# Allegro board ZDRK-36-DE3-A02-20190729.brd (continued)
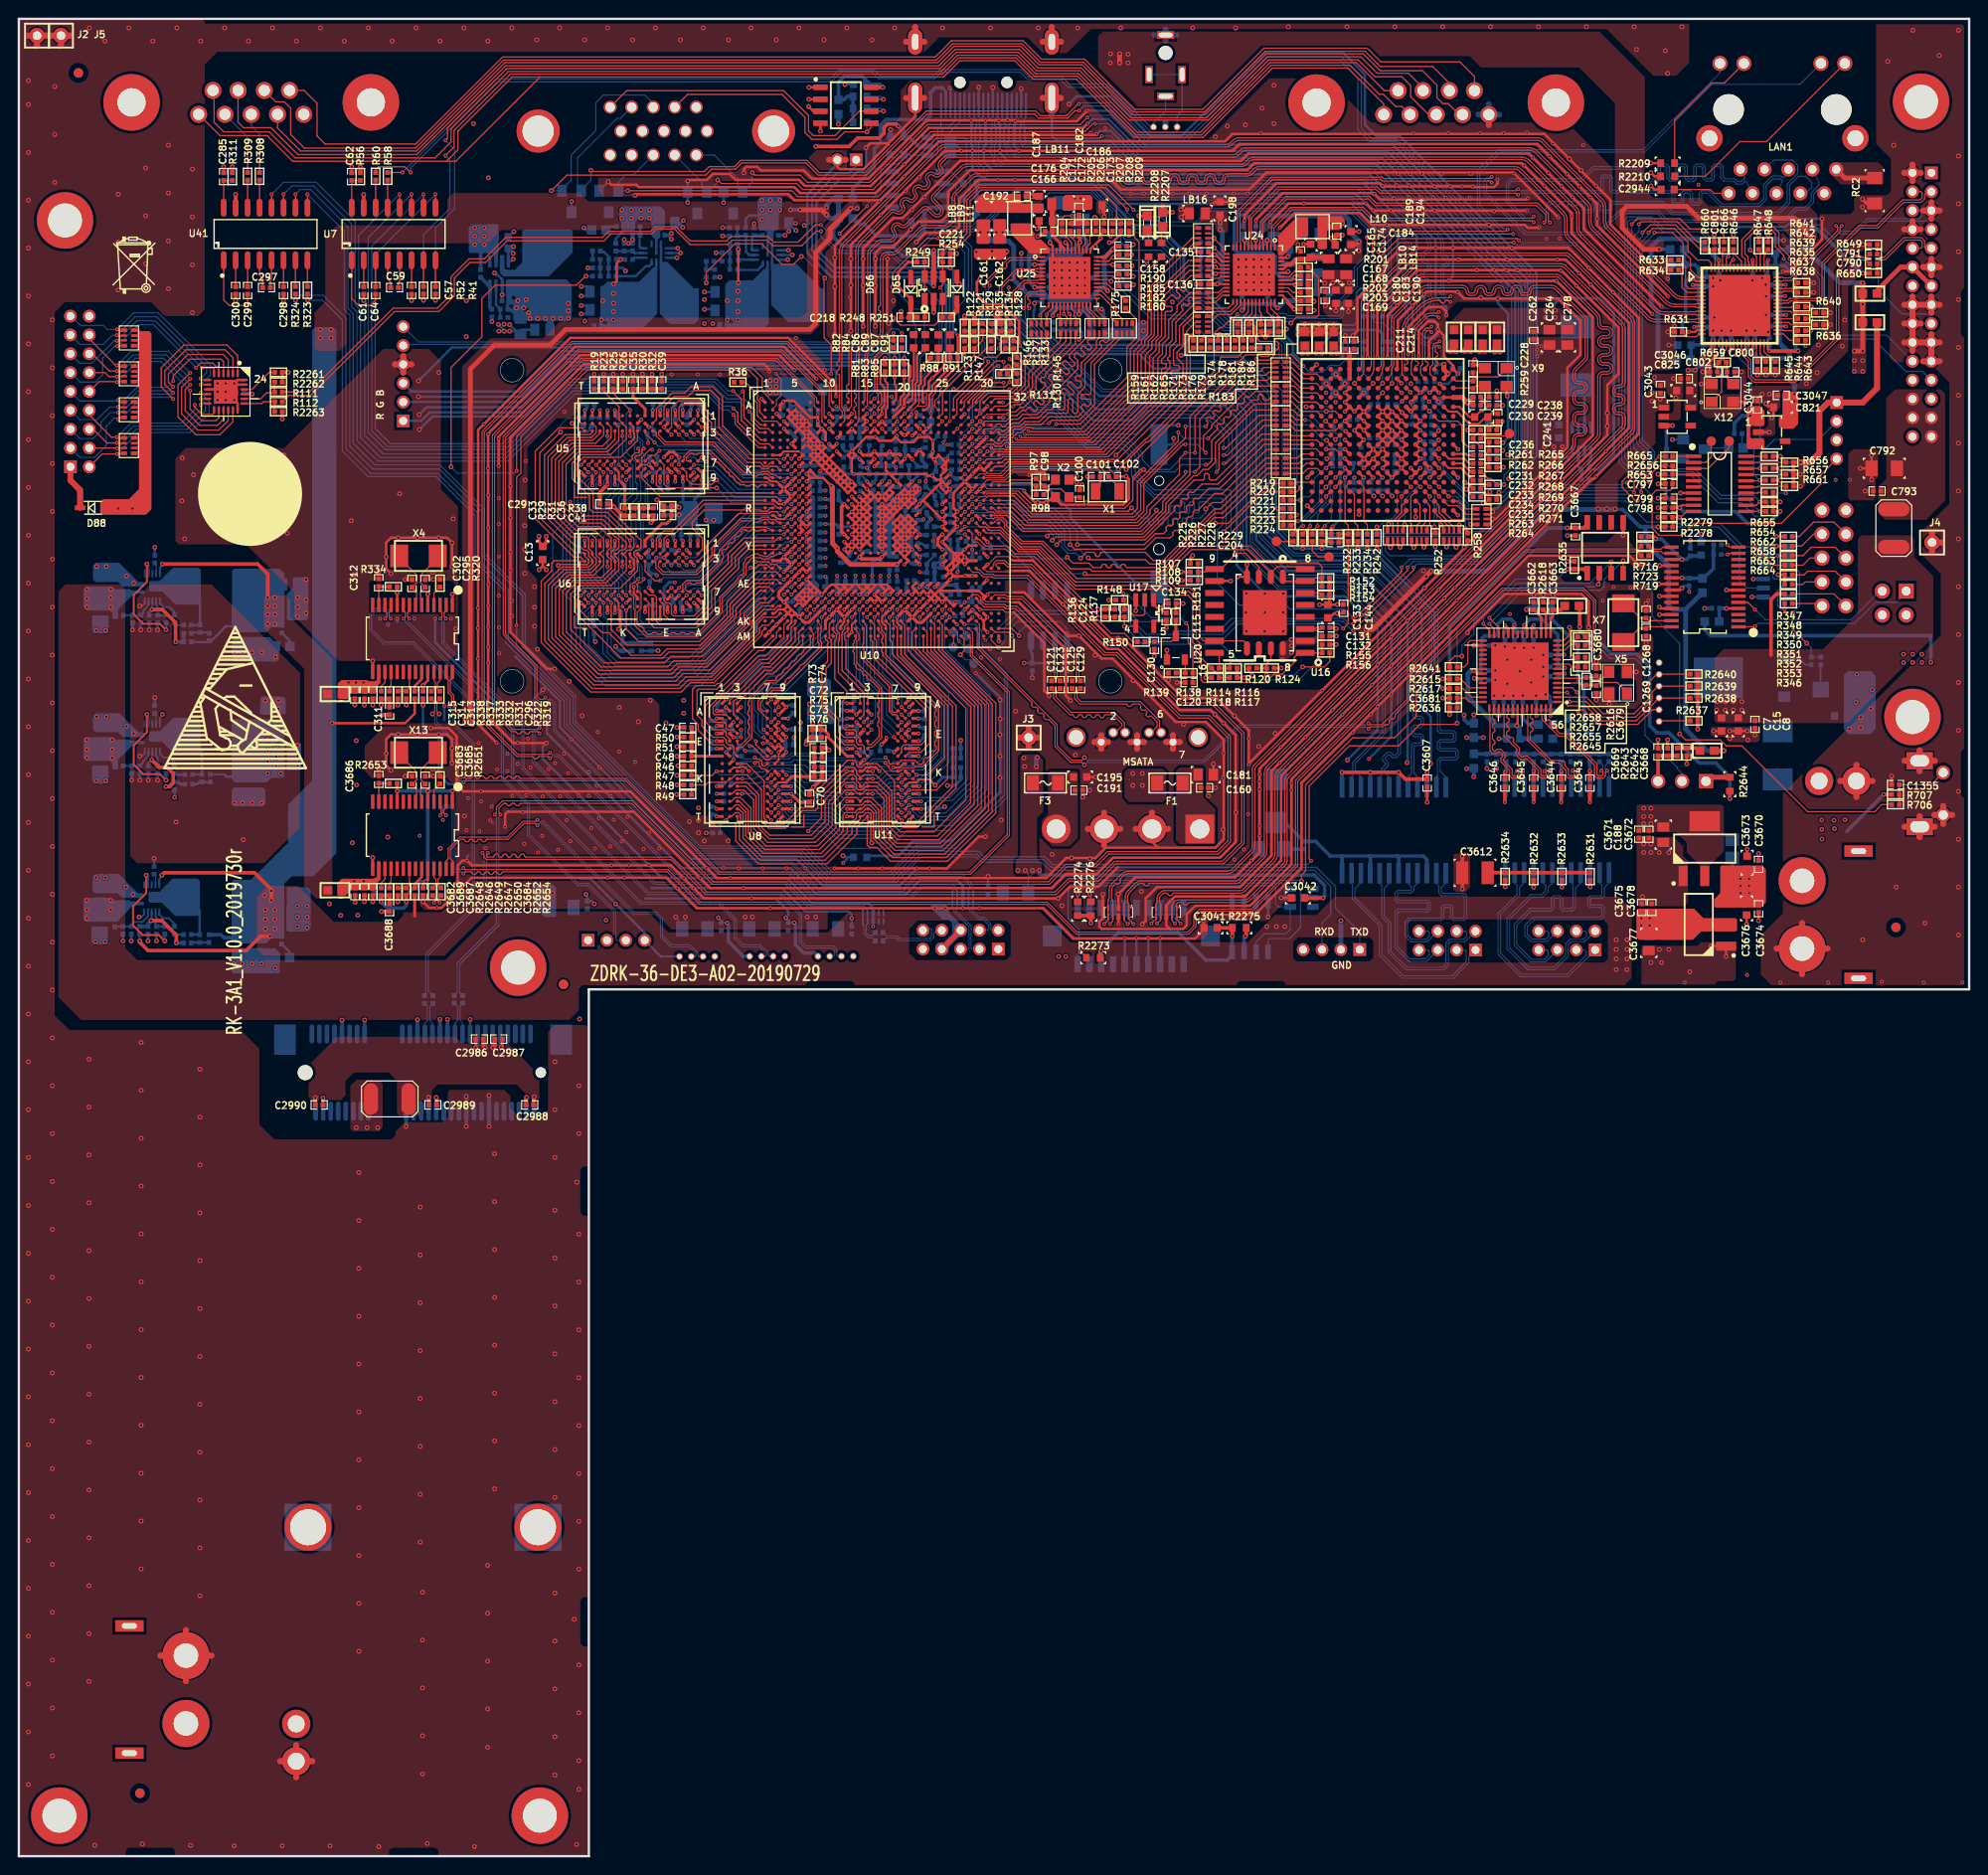
[diagram p0: board, top side]
## Placement (name value [footprint] x y rotation side) (continued)
C392  1UF  [SC0402]  92.63 139.83 0 bottom
C393  1UF  [SC0402]  92.63 138.94 0 bottom
C394  10uf  [SC0603]  92.43 143.51 90 bottom
C395  100NF  [SC0402]  92.38 146.69 0 bottom
C396  1UF  [SC0402]  92.35 134.9 90 bottom
C397  1UF  [SC0402]  92.05 145.29 180 bottom
C398  100NF  [SC0402]  91.95 148.46 0 bottom
C399  1UF  [SC0402]  91.95 147.57 0 bottom
C400  100NF  [SC0402]  91.83 117.31 180 bottom
C401  1UF  [SC0402]  91.47 134.9 90 bottom
C405  1UF  [SC0402]  91.11 137.26 180 bottom
C406  1UF  [SC0402]  90.68 146.69 180 bottom
C407  1UF  [SC0402]  90.58 134.9 90 bottom
C408  1UF  [SC0402]  90.55 143.81 180 bottom
C409  1UF  [SC0402]  90.55 142.93 180 bottom
C410  1UF  [SC0402]  90.55 142.04 180 bottom
C411  1UF  [SC0402]  90.55 141.15 180 bottom
C412  1UF  [SC0402]  90.55 140.26 180 bottom
C413  1UF  [SC0402]  90.55 139.37 180 bottom
C414  1UF  [SC0402]  90.55 138.48 180 bottom
C415  1UF  [SC0402]  90.22 148.36 270 bottom
C416  100NF  [SC0402]  90.05 117.18 0 bottom
C417  1UF  [SC0402]  89.69 134.9 90 bottom
C418  1UF  [SC0402]  89.33 147.12 90 bottom
C419  10uf  [SC0603]  89.29 106.01 0 bottom
C420  1UF  [SC0402]  88.91 119.21 270 bottom
C421  1UF  [SC0402]  88.8 134.9 90 bottom
C422  470NF  [SC0402]  88.65 122.26 90 bottom
C423  100NF  [SC0402]  88.37 150.11 90 bottom
C424  100NF  [SC0402]  88.11 137.67 90 bottom
C425  1UF  [SC0402]  87.93 148.46 180 bottom
C426  1UF  [SC0402]  87.73 134.9 90 bottom
C427  100NF  [SC0402]  87.48 150.11 90 bottom
C428  1UF  [SC0402]  87.31 145.86 180 bottom
C429  100NF  [SC0402]  87.25 122.01 270 bottom
C430  100NF  [SC0402]  87.25 120.23 270 bottom
C431  100NF  [SC0402]  87.25 117.94 270 bottom
C432  1UF  [SC0402]  87.02 140.69 90 bottom
C433  1UF  [SC0402]  86.84 134.9 90 bottom
C434  100NF  [SC0402]  86.61 143.97 180 bottom
C435  1UF  [SC0402]  85.6 149.3 0 bottom
C436  1UF  [SC0402]  85.27 148.01 270 bottom
C437  10uf  [SC0603]  85.19 122.68 90 bottom
C438  1UF  [SC0402]  85.09 134.72 0 bottom
C439  1UF  [SC0402]  85.01 150.5 0 bottom
C440  100NF  [SC0402]  84.68 119.63 180 bottom
C441  1UF  [SC0402]  84.43 151.87 0 bottom
C442  1UF  [SC0402]  84.43 153.44 0 bottom
C443  100NF  [SC0402]  84.63 146.71 0 bottom
C444  100NF  [SC0402]  84.63 145.82 0 bottom
C445  1UF  [SC0402]  84.63 144.04 0 bottom
C446  1UF  [SC0402]  84.63 143.15 0 bottom
C447  1UF  [SC0402]  84.63 142.27 0 bottom
C448  1UF  [SC0402]  84.63 141.38 0 bottom
C449  1UF  [SC0402]  84.63 140.49 0 bottom
C450  1UF  [SC0402]  84.63 139.6 0 bottom
C451  1UF  [SC0402]  84.63 138.71 0 bottom
C452  1UF  [SC0402]  84.63 137.82 0 bottom
C453  1UF  [SC0402]  84.63 136.93 0 bottom
C454  1UF  [SC0402]  84.63 135.79 0 bottom
C455  22UF  [SC0805]  84.5 155.68 0 bottom
C456  1UF  [SC0402]  84.38 148.01 270 bottom
C457  1UF  [SC0402]  83.49 148.01 270 bottom
C458  1UF  [SC0402]  83.19 132.66 225 bottom
C459  1UF  [SC0402]  82.73 150.83 225 bottom
C460  1UF  [SC0402]  82.56 119.59 0 bottom
C461  1UF  [SC0402]  82.37 133.45 225 bottom
C462  470NF  [SC0402]  82.2 121.73 90 bottom
C463  1UF  [SC0402]  82.09 151.46 225 bottom
C464  100NF  [SC0402]  81.79 117.94 0 bottom
C465  1UF  [SC0402]  81.53 153.85 180 bottom
C466  1UF  [SC0402]  81.51 152.91 180 bottom
C467  100NF  [SC0402]  78.62 117.31 180 bottom
C468  100NF  [SC0402]  76.08 117.69 0 bottom
C469  1UF  [SC0402]  75.32 119.47 180 bottom
C470  470NF  [SC0402]  74.94 120.86 270 bottom
C471  1UF  [SC0402]  74.83 112.36 270 bottom
C472  100NF  [SC0402]  74.2 122.7 270 bottom
C473  1NF  [SC0402]  74.05 109.63 180 bottom
C474  470NF  [SC0402]  73.44 110.96 270 bottom
C475  100NF  [SC0402]  73.41 120.1 270 bottom
C476  100NF  [SC0402]  73.41 117.94 270 bottom
C477  100NF  [SC0402]  72.84 145.22 0 bottom
C478  10uf  [SC0603]  72.49 142.88 0 bottom
C479  100NF  [SC0402]  71.79 154.11 180 bottom
C480  100NF  [SC0402]  71.67 140.26 180 bottom
C481  100NF  [SC0402]  71.65 132.28 0 bottom
C482  470NF  [SC0402]  70.9 152.33 90 bottom
C483  470NF  [SC0402]  70.9 145.09 0 bottom
C484  100NF  [SC0402]  70.01 154.11 180 bottom
C485  470NF  [SC0402]  69.89 140.26 180 bottom
C486  470NF  [SC0402]  69.82 133.1 180 bottom
C487  1UF  [SC0402]  69.25 152.46 180 bottom
C488  1UF  [SC0402]  68.87 138.61 180 bottom
C489  100NF  [SC0402]  68.49 145.09 180 bottom
C490  1UF  [SC0402]  68.49 133.28 90 bottom
C491  100NF  [SC0402]  68.3 142.75 90 bottom
C492  1UF  [SC0402]  67.98 146.87 0 bottom
C493  100NF  [SC0402]  67.73 154.11 180 bottom
C494  100NF  [SC0402]  67.6 140.26 180 bottom
C495  100NF  [SC0402]  67.35 148.52 180 bottom
C496  100NF  [SC0402]  67.35 132.39 270 bottom
C497  100NF  [SC0402]  67.09 150.93 180 bottom
C498  100NF  [SC0402]  67.09 128.33 90 bottom
C499  100NF  [SC0402]  66.97 135.69 90 bottom
C500  100NF  [SC0402]  66.84 137.47 270 bottom
C501  100NF  [SC0402]  65.06 128.33 270 bottom
C502  1UF  [SC0402]  62.08 152.68 180 bottom
C503  1UF  [SC0402]  61.06 130.18 270 bottom
C504  470NF  [SC0402]  60.68 154.08 180 bottom
C505  1NF  [SC0402]  60.38 152.68 0 bottom
C634  100NF  [SC0402]  28.29 99.59 0 bottom
C635  220NF  [SC0402]  17.9 97.82 0 bottom
C636  22UF  [SC0805]  8.6 102.08 90 bottom
C637  22UF  [SC0805]  8.6 98.91 270 bottom
C638  100NF  [SC0402]  11.43 101.57 90 bottom
C639  220PF  [SC0402]  20.19 97.38 90 bottom
C640  220NF  [SC0402]  11.94 98.27 270 bottom
C641  100NF  [SC0402]  28.29 100.48 0 bottom
C642  22UF  [SC0805]  28.45 101.96 0 bottom
C643  22UF  [SC0805]  23.49 96.67 270 bottom
C644  22UF  [SC0805]  25.19 96.67 270 bottom
C645  100NF  [SC0402]  28.29 98.7 0 bottom
C646  1UF  [SC0402]  14.61 98.27 270 bottom
C790  100NF  [SC0402]  196.85 169.01 180 top
C791  100NF  [SC0402]  196.85 170.03 0 top
C792  10uF/25V  [SC1206]  197.99 147.29 180 top
C793  100NF  [SC0402]  197.23 144.88 180 top
C797  100NF  [SC0402]  175.13 145.64 180 top
C798  100NF  [SC0402]  175.13 143.1 180 top
C799  1UF  [SC0402]  175.13 144.12 180 top
C800  10pF  [SC0402]  181.71 157.53 180 top
C801  1UF  [SC0402]  179.96 170.92 90 top
C802  10pF  [SC0402]  179.88 157.53 0 top
C803  100NF  [SC0402]  176.15 161.77 180 bottom
C804  1UF  [SC0402]  178.69 167.61 0 bottom
C805  10uf  [SC0603]  176.15 168.88 180 bottom
C806  100NF  [SC0402]  178.69 168.5 0 bottom
C807  1UF  [SC0402]  185.8 160.76 90 bottom
C808  100NF  [SC0402]  185.55 168.38 270 bottom
C809  10uf  [SC0603]  186.44 170.79 90 bottom
C810  100NF  [SC0402]  186.44 168.38 270 bottom
C811  1UF  [SC0402]  178.82 162.28 0 bottom
C812  100NF  [SC0402]  178.82 163.3 0 bottom
C813  10uf  [SC0603]  176.78 160.38 180 bottom
C814  100NF  [SC0402]  179.83 160.76 90 bottom
C815  100NF  [SC0402]  178.69 166.6 0 bottom
C816  100NF  [SC0402]  186.49 162.38 180 bottom
C817  100NF  [SC0402]  183.39 160.76 90 bottom
C818  100NF  [SC0402]  184.28 160.76 90 bottom
C819  1UF  [SC0402]  186.49 166.78 180 bottom
C820  100NF  [SC0402]  186.49 165.56 180 bottom
C821  10uf  [SC0603]  186.94 153.77 180 top
C822  100NF  [SC0402]  186.49 163.58 180 bottom
C823  1UF  [SC0402]  184.02 168.38 270 bottom
C824  100NF  [SC0402]  180.72 160.76 90 bottom
C825  10uf  [SC0603]  176.66 155.55 180 top
C826  100NF  [SC0402]  181.74 160.76 90 bottom
C827  100NF  [SC0402]  180.47 168.38 270 bottom
C1268  22pF  [SC0402]  172.72 131.8 270 top
C1269  22pF  [SC0402]  172.72 129.9 90 top
C1319  100NF  [SC0402]  162.56 122.02 270 bottom
C1355  100NF  [SC0402]  199.19 113.72 180 top
C2318  100NF  [SC0603]  89.28 188.04 0 bottom
C2378  100NF  [SC0603]  95.38 173.46 0 bottom
C2807  100NF  [SC0402]  91.31 98.02 180 bottom
C2808  100NF  [SC0402]  91.31 97.13 180 bottom
C2879  100NF  [SC0402]  177.29 135.23 270 bottom
C2880  100NF  [SC0402]  180.09 132.44 0 bottom
C2906  100NF  [SC0402]  177.42 138.4 90 bottom
C2907  10uf  [SC0603]  178.56 138.79 90 bottom
C2944  100NF  [SC0603]  175.01 176.89 180 top
C2986  100NF  [SC0402]  48.9 86.72 180 top
C2987  100NF  [SC0402]  50.93 86.72 0 top
C2988  100NF  [SC0402]  54.23 79.73 180 top
C2989  100NF  [SC0402]  43.94 79.73 0 top
C2990  100NF  [SC0402]  31.88 79.73 0 top
C2991  100NF  [SC0603]  93.22 182.47 0 bottom
C3029  100NF  [SC0402]  60.33 100.94 90 bottom
C3030  100NF  [SC0402]  88.39 98.27 90 bottom
C3031  100NF  [SC0402]  81.66 98.65 90 bottom
C3040  100NF  [SC0402]  102.87 102.46 90 bottom
C3041  100NF  [SC0603]  126.49 98.53 0 top
C3042  100NF  [SC0603]  135.76 101.7 0 top
C3043  1UF  [SC0402]  174.24 155.68 90 top
C3044  1UF  [SC0402]  184.53 154.03 90 top
C3045  100NF  [SC0402]  178.82 159.99 270 bottom
C3046  100NF  [SC0402]  176.78 156.82 180 top
C3047  100NF  [SC0402]  187.07 155.04 180 top
C3048  100NF  [SC0402]  28.32 131.72 0 bottom
C3049  100NF  [SC0402]  28.32 133.5 0 bottom
C3050  22UF  [SC0805]  25.22 129.69 270 bottom
C3051  22UF  [SC0805]  8.74 135 90 bottom
C3052  22UF  [SC0805]  28.83 134.98 0 bottom
C3053  1UF  [SC0402]  14.73 131.29 270 bottom
C3054  220NF  [SC0402]  17.91 130.66 0 bottom
C3055  22UF  [SC0805]  23.52 129.69 270 bottom
C3056  220NF  [SC0402]  12.95 131.29 270 bottom
C3057  100NF  [SC0402]  11.43 134.59 90 bottom
C3058  22UF  [SC0805]  8.74 131.95 270 bottom
C3059  100NF  [SC0402]  28.32 132.61 0 bottom
C3060  220PF  [SC0402]  20.19 129.39 270 bottom
C3607  100NF  [SC0402]  149.48 113.89 270 top
C3608  1NF/2KV  [SC1206]  132.97 106.91 180 bottom
C3612  1000pF  [SC1210]  154.56 104.37 180 top
C3643  22NF  [SC0402]  166.75 113.89 90 top
C3644  22NF  [SC0402]  163.7 113.89 90 top
C3645  22NF  [SC0402]  160.78 113.89 90 top
C3646  22NF  [SC0402]  157.73 113.89 90 top
C3647  100NF  [SC0402]  161.04 122.02 270 bottom
C3648  100NF  [SC0402]  157.61 122.02 270 bottom
C3649  100NF  [SC0402]  158.62 122.02 270 bottom
C3650  100NF  [SC0402]  156.59 122.02 270 bottom
C3651  100NF  [SC0402]  157.73 129.51 90 bottom
C3652  100NF  [SC0402]  160.78 129.51 90 bottom
C3653  100NF  [SC0402]  162.94 125.2 0 bottom
C3654  100NF  [SC0402]  155.57 124.82 180 bottom
C3655  100NF  [SC0402]  159.77 129.51 90 bottom
C3656  100NF  [SC0402]  155.68 128.5 180 bottom
C3657  100NF  [SC0402]  155.57 125.83 180 bottom
C3658  100NF  [SC0402]  162.94 127.48 0 bottom
C3659  100NF  [SC0402]  162.94 126.21 0 bottom
C3660  100NF  [SC0402]  158.75 129.51 90 bottom
C3661  100NF  [SC0402]  159.64 122.02 270 bottom
C3662  100NF  [SC0402]  160.78 132.69 270 top
C3663  100NF  [SC0402]  162.81 132.69 270 top
C3664  10uf  [SC0603]  158.62 118.59 0 bottom
C3665  10NF  [SC0402]  156.84 116.56 90 bottom
C3666  100NF  [SC0402]  155.83 116.56 90 bottom
C3667  100NF  [SC0402]  165.23 140.56 90 top
C3668  100NF  [SC0402]  177.04 117.2 90 top
C3669  100NF  [SC0402]  173.99 117.2 270 top
C3670  100NF  [SC0402]  184.66 105.26 90 top
C3671  100NF  [SC0402]  171.96 108.46 270 top
C3672  22UF  [SC0805]  174.55 108.41 270 top
C3673  10uf  [SC0603]  183.44 105.44 90 top
C3674  100NF  [SC0402]  184.66 100.56 270 top
C3675  100NF  [SC0402]  172.26 100.69 90 top
C3676  10uf  [SC0603]  183.39 100.58 270 top
C3677  22UF  [SC0805]  173 96.93 270 top
C3678  1UF  [SC0402]  173.32 100.68 90 top
C3679  30PF  [SC0402]  167.44 123.82 90 top
C3680  30PF  [SC0402]  167.44 125.65 270 top
C3681  100NF  [SC0402]  152.27 122.91 0 top
C3682  100NF  [SC0402]  35.69 102.36 270 top
C3683  22pF  [SC0402]  41.73 114.2 270 top
C3684  100NF  [SC0402]  42.9 102.36 270 top
C3685  22pF  [SC0402]  43.13 114.2 270 top
C3686  100NF  [SC0402]  38.2 114.27 90 top
C3687  100NF  [SC0402]  37.57 102.36 270 top
C3688  100NF  [SC0402]  39.34 100.66 270 top
C3689  100NF  [SC0402]  36.68 102.36 270 top
CN3  DB15-3M2  [DB15-3RF-A]  71.91 180.54 0 bottom
CON1  MOLEX-473065001  [CN_SATA_HOST]  114.88 118.25 180 bottom
D2  1SMA13CA  [SD1710A]  193.17 123.8 180 bottom
D23  SM12T1G  [SOT23]  58.67 175.62 0 bottom
D24  SM12T1G  [SOT23]  62.61 175.62 0 bottom
D25  SM12T1G  [SOT23]  72.01 175.49 0 bottom
D26  SM12T1G  [SOT23]  75.82 175.49 0 bottom
D65  BAT60BE6327  [HSOD323A]  99.57 166.45 270 top
D66  BAT60BE6327  [HSOD323A]  94.67 166.42 270 top
D71  Led-G-0603  [LED0603]  61.56 172.58 0 bottom
D87  Led-G-0603  [LED0603]  27.98 95.38 0 bottom
D88  BAT60BE6327  [HSOD323A]  7.87 143.1 180 top
D89  Led-G-0603  [LED0603]  28.02 128.4 0 bottom
D90  Led-G-0603  [LED0603]  121.41 173.71 90 top
D91  Led-G-0603  [LED0603]  119.76 173.33 270 top
D104  TISP4350H3BJR_S  [SD1714D]  133.48 111.99 90 bottom
DXF  -  [ZDRK3]  0 0 0 top
F1  SF1206/1A  [SF1206]  122.17 113.89 0 top
F3  SF1206/1A  [SF1206]  108.97 113.89 0 top
F5  SF6127/5A/0451005MRL  [SF6127]  186.69 116.81 90 bottom
F8  SF1206/1A  [SF1206]  71.75 98.4 0 bottom
F11  SF1206/1A  [SF1206]  85.6 98.4 0 bottom
F22  SF1206/1A  [SF1206]  78.87 98.4 0 bottom
F23  FS-2A/1812  [SF1812]  39.37 80.37 0 top
F24  SF1206/1A  [SF1206]  57.53 100.69 0 bottom
F25  SF1206/1A  [SF1206]  105.79 102.21 180 bottom
F39  MF-MSMF250/16X  [SF1812]  199.01 140.94 90 top
ID1  NC  [ID-BOARD]  199.24 98.58 0 top
ID2  NC  [ID-BOARD]  199.24 98.58 180 bottom
ID3  NC  [ID-BOARD]  6.32 189.26 0 top
ID4  NC  [ID-BOARD]  57.81 92.53 180 bottom
ID5  NC  [ID-BOARD]  57.81 92.53 0 top
ID6  NC  [ID-BOARD]  6.32 189.26 180 bottom
J2  NC  [SIP-1P]  1.93 193.22 0 top
J3  NC  [SIP-1P]  107.19 118.72 0 top
J4  NC  [SIP-1P]  203.07 139.42 0 top
J5  NC  [SIP-1P]  4.47 193.22 0 top
J6  con1x6pd1_25  [CON1X6PD1_25]  174.1 120.42 90 bottom
J22  DB9-M  [DSUB9_MALE_90]  150.44 186.11 180 bottom
J23  DB9-M  [DSUB9_MALE_90]  24.66 186.13 180 bottom
J49  -  [MOLEX_47151]  102.39 190.35 0 bottom
J70  BIG4P_IDE_180  [SIP-4P-200]  117.73 108.89 180 bottom
J94  -  [VH-2A]  29.44 6.12 270 bottom
J108  HEADER2X5_2.54_180  [CON2X5PD254]  192.66 137.77 90 bottom
J111  PJ2010B  [CON_DIP_PJ2010B]  121.72 191.38 270 bottom
J115  HR911130C  [TH-CN-254X254P-14N-HR911130C1]  185.29 181.56 0 bottom
J116  PH-4P_180  [CON1X4PD2]  192.95 154.28 270 bottom
J123  con1x3pd1_25  [CON1X3PD1_25]  122.94 183.51 180 bottom
J124  4 HEADER  [CON2X2P-254MM]  200.33 134.26 270 bottom
J125  -  [VH-2A]  199.01 114.11 0 bottom
J126  -  [XT60PW-M]  3.73 9.93 90 bottom
J127  CONN RCPT 9x2  [CON2X9PD2]  6.48 155.45 90 bottom
J128  PHD2x5pd2  [CON2X5PD2]  103.96 96.27 180 bottom
J130  SMT2x10p-125mm  [SMT2X10P-125MM]  121.13 97.66 180 bottom
J131  PHD8P2  [CON2X4PD2MM]  154.61 96.17 180 bottom
J133  PHD8P2  [CON2X4PD2MM]  167.31 96.18 180 bottom
J134  -  [XT60PW-M]  203.28 107.67 270 bottom
J135  PH-2P  [CON1X2PD2]  88.87 180.04 180 bottom
J136  PH-6P  [CON1X6PD2]  40.8 152.33 90 bottom
JE1  -  [PHD-30P]  202 164.65 270 bottom
JP1  1x3  [CON1X3P_2_54MM]  176.53 114.09 180 bottom
JU1  ZH-4P  [CON1X4P_125MM]  106.37 36.73 180 bottom
JU2  -  [PH-4P]  60.43 97.21 0 bottom
JU3  ZH-4P  [CON1X4P_125MM]  121.07 36.75 180 bottom
JU4  ZH-4P  [CON1X4P_125MM]  113.82 36.75 180 bottom
JU5  -  [PH-4P]  142.32 96.21 180 bottom
L1  SWPA6045S2R2MT  [SPL0707G]  56.05 167.9 270 bottom
L2  SWPA6045S2R2MT  [SPL0707G]  20.9 118.85 0 bottom
L4  SWPA6045S2R2MT  [SPL0707G]  67.83 164.69 180 bottom
L5  SWPA6045S2R2MT  [SPL0707G]  81.04 164.69 180 bottom
L10  1239AS-H2R2M  [HSL1008]  137.31 172.95 0 top
L11  1239AS-H2R2M  [HSL1008]  106.22 173.84 90 top
L14  SWPA6045S2R2MT  [SPL0707G]  165.35 159.23 90 bottom
L16  SWPA6045S2R2MT  [SPL0707G]  20.9 134.8 0 bottom
L49  SPM6530T-2R2M  [SPL0707G]  20.9 101.86 0 bottom
LB6  FB_120R  [SL0805]  137.79 168.88 270 bottom
LB7  FB_120R  [SL0805]  137.16 172.19 180 bottom
LB8  FB_120R  [SL0805]  102.39 174.07 270 top
LB9  FB_120R  [SL0805]  104.09 174.07 270 top
LB10  FB_120R  [SL0805]  139.01 168.68 90 top
LB11  FB_120R  [SL0805]  110.49 175.34 180 top
LB14  FB_120R  [SL0805]  140.89 168.68 90 top
LB15  FB_120R  [SL0805]  110.26 174.47 270 bottom
LB16  FB_120R  [SL0805]  125.09 174.35 0 top
LB17  FB_120R  [SL0805]  114.66 161.49 180 bottom
LB18  FB_120R  [SL0603]  136.5 161.04 270 top
LB19  FB_120R  [SL0603]  138.02 161.04 270 top
LB20  FB_120R  [SL0603]  139.55 161.04 270 top
LB22  FB_120R  [SL0603]  152.32 161.24 270 top
LB23  FB_120R  [SL0603]  153.85 161.24 270 top
LB24  FB_120R  [SL0603]  155.37 161.24 270 top
LB25  FB_120R  [SL0603]  156.9 161.24 270 top
LB31  FB_120R  [SL0603]  33.55 123.34 180 top
LB32  FB_120R  [SL0402]  99.52 135.31 270 bottom
LB33  FB_120R  [SL0402]  99.29 137.77 180 bottom
LB34  FB_120R  [SL0402]  98.91 143.89 270 bottom
LB35  FB_120R  [SL0402]  97.26 145.67 270 bottom
LB36  FB_120R  [SL0402]  96.8 135.33 0 bottom
LB37  FB_120R  [SL0402]  96.77 140.21 180 bottom
LB38  FB_120R  [SL0402]  96.77 139.01 180 bottom
LB39  FB_120R  [SL0402]  96.24 148.59 180 bottom
LB40  FB_120R  [SL0402]  94.97 143.26 270 bottom
LB41  FB_120R  [SL0402]  94.46 150.16 0 bottom
LB42  FB_120R  [SL0402]  93.83 145.29 180 bottom
LB43  FB_120R  [SL0402]  93.57 137.92 0 bottom
LB44  FB_120R  [SL0402]  93.07 149.73 270 bottom
LB45  FB_120R  [SL0402]  91.67 150.11 270 bottom
LB46  FB_120R  [SL0402]  90.68 145.39 90 bottom
LB47  FB_120R  [SL0402]  90.27 150.11 270 bottom
LB48  FB_120R  [SL0402]  89.33 145.29 90 bottom
LB49  FB_120R  [SL0402]  87.93 147.45 0 bottom
LB50  FB_120R  [SL0402]  87.2 137.67 270 bottom
LB51  FB_120R  [SL0402]  86.61 144.86 0 bottom
LB52  BLM18PG121SN1D  [LB0603]  87 185.65 90 bottom
LB70  BLM21PG121SN1D  [LB0805]  181.86 106.91 270 bottom
LB126  BLM18PG121SN1D  [SL0603]  196.47 165.84 0 top
LB127  BLM18PG121SN1D  [SL0603]  188.85 170.54 180 bottom
LB128  BLM18PG121SN1D  [SL0603]  176.02 170.54 0 bottom
LB129  BLM18PG121SN1D  [SL0603]  196.47 162.79 0 top
LB130  BLM18PG121SN1D  [SL0603]  176.66 158.85 0 bottom
LB132  BLM18PG121SN1D  [SL0603]  179.2 117.32 0 top
LB133  BLM18PG121SN1D  [SL0603]  164.47 119.99 90 bottom
LB134  BLM18PG121SN1D  [SL0603]  154.43 119.48 90 bottom
LB135  BLM18PG121SN1D  [SL0603]  162.05 118.59 180 bottom
LB136  BLM18PG121SN1D  [SL0603]  161.8 132.56 180 bottom
LB137  BLM18PG121SN1D  [SL0603]  164.85 132.69 0 top
LB138  BLM18PG121SN1D  [SL0603]  162.05 120.12 0 bottom
LB139  BLM18PG121SN1D  [SL0603]  154.43 116.23 270 bottom
LB140  FB_120R  [SL0603]  33.55 102.51 180 top
LB141  FB_120R  [SL0603]  179.71 131.04 0 bottom
LB142  FB_120R  [SL0603]  178.69 134.85 90 bottom
LB143  NC  [LB0603]  87.76 175.87 180 bottom
LB144  NC  [LB0603]  87.76 173.84 180 bottom
LED3  RED  [LED0603]  182.25 149.45 0 bottom
NOREF  -  []  86.13 90.96 0 top
NOREF#2  -  []  246.61 182.98 0 top
NOREF#3  -  []  0 -13.03 0 top
NOREF#4  -  [unnamed#2]  12.85 6.68 0 top
NOREF#5  -  []  182.65 90.96 0 top
NOREF#6  -  []  182.65 90.96 0 top
NOREF#7  -  []  223.75 182.98 0 top
NOREF#8  -  []  41.91 -1.02 0 top
NOREF#9  -  []  131.85 90.96 0 top
NOREF#10  -  []  82.52 92.33 0 top
NOREF#11  -  []  246.61 182.98 0 top
NOREF#12  -  []  208.05 114.91 90 top
NOREF#13  -  []  13.97 -1.02 0 top
NOREF#14  -  []  61.52 24.87 90 top
NOREF#15  -  []  61.52 70.59 90 top
NOREF#16  -  []  61.52 70.59 90 top
NOREF#17  -  []  131.85 90.96 0 top
NOREF#18  -  []  13.97 -1.02 0 top
NOREF#19  -  []  352.04 298.4 0 top
NOREF#20  -  []  208.05 163.78 90 top
NOREF#21  -  []  -96.8 -90.37 0 top
NOREF#22  -  []  219.16 313.57 0 top
NOREF#23  -  []  0 195 0 top
NOREF#24  -  []  14.76 168.97 0 top
NOREF#25  -  []  269.57 -13.04 90 top
NOREF#26  -  []  -0.51 0 90 top
NOREF#27  -  []  208.05 114.91 90 top
NOREF#28  -  []  86.13 90.96 0 top
NOREF#29  -  []  208.05 163.78 90 top
NOREF#30  -  []  61.52 24.87 90 top
NOREF#31  -  []  38.4 219.33 0 top
NOREF#32  -  []  223.75 182.98 0 top
NOREF#33  -  []  41.91 -1.02 0 top
NOREF#34  -  [unnamed#2]  12.85 6.68 180 bottom
Q2  IRFR9120N  [D-PACK]  180.38 125.07 270 bottom
Q20  SI2302/NMOS  [SOT23]  177.8 149.33 90 bottom
R2  470K  [SR0402]  10.67 115.72 0 bottom
R4  1M  [SR0402]  11.96 115.32 270 bottom
R8  10.7K  [SR0402]  13.74 115.32 270 bottom
R11  0R  [SR0402]  14.43 121.69 90 bottom
R12  150K  [SR0402]  51.51 164.19 0 bottom
R13  100K  [SR0402]  51.51 163.3 0 bottom
R14  100K  [SR0402]  15.62 115.32 90 bottom
R16  4.7R  [SR0402]  16.51 115.32 270 bottom
R17  49.9K  [SR0402]  16.54 113.56 90 bottom
R19  100R  [SR0402]  61.06 156.14 270 top
R20  100K  [SR0402]  49.02 167.97 270 bottom
R21  499R  [SR0402]  18.03 113.77 180 bottom
R23  100R  [SR0402]  62.08 156.14 90 top
R24  1M  [SR0402]  19.43 114.4 270 bottom
R25  100R  [SR0402]  63.09 156.14 90 top
R26  100R  [SR0402]  64.11 156.14 270 top
R27  49.9K  [SR0402]  191.26 126.85 90 bottom
R28  1K  [SR0402]  190.25 126.85 90 bottom
R29  1K  [SR0402]  65.32 142.68 270 top
R30  1K  [SR0402]  66.2 156.14 90 top
R31  1K  [SR0402]  66.33 142.68 90 top
R32  1K  [SR0402]  67.22 156.14 270 top
R33  NC  [SR0402]  65.55 172.94 0 bottom
R34  4.7K  [SR0402]  65.55 172.05 180 bottom
R36  1K  [SR0402]  76.33 156.44 180 top
R37  NC  [SR0402]  64.25 170.76 90 bottom
R38  1K  [SR0402]  68.87 143.31 180 top
R39  499R  [SR0402]  63.84 172.94 180 bottom
R40  100K  [SR0402]  63.36 170.76 270 bottom
R41  100R  [SR0402]  44.22 166.19 270 top
R42  27.4K  [SR0402]  63.01 169.46 180 bottom
R43  34.8K  [SR0402]  63.01 168.57 0 bottom
R44  0R  [SR0402]  63.01 167.68 180 bottom
R45  499R  [SR0402]  27.88 97.21 270 bottom
R46  100R  [SR0402]  70.99 115.72 0 top
R47  100R  [SR0402]  70.99 114.71 180 top
R48  100R  [SR0402]  70.99 113.69 180 top
R49  100R  [SR0402]  70.99 112.67 0 top
R50  1K  [SR0402]  71 118.77 0 top
R51  1K  [SR0402]  71 117.75 180 top
R52  100R  [SR0402]  42.95 166.19 270 top
R53  150K  [SR0402]  61.3 170.35 180 bottom
R54  75K  [SR0402]  61.3 169.46 0 bottom
R55  1K  [SR0402]  61.3 167.68 180 bottom
R56  0R  [SR0402]  36.25 178.26 270 top
R57  NC  [SR0402]  78.93 172.43 270 bottom
R58  100R  [SR0402]  39.14 178.28 90 top
R59  4.7K  [SR0402]  78.04 172.43 90 bottom
R60  100R  [SR0402]  37.87 178.28 90 top
R65  100K  [SR0402]  77.15 172.43 270 bottom
R66  27.4K  [SR0402]  75.88 171.06 180 bottom
R67  0R  [SR0402]  75.88 168.39 180 bottom
R68  NC  [SR0402]  75.86 172.84 180 bottom
R70  34.8K  [SR0402]  75.07 170.17 180 bottom
R71  150K  [SR0402]  75.07 169.28 180 bottom
R73  1K  [SR0402]  84.21 119.15 270 top
R75  1K  [SR0402]  84.84 116.61 180 top
R76  1K  [SR0402]  84.84 114.58 0 top
R77  75K  [SR0402]  73.37 169.28 180 bottom
R78  1K  [SR0402]  72.96 167.99 270 bottom
R81  75R  [SR0402]  91.95 157.96 90 top
R82  33R  [SR0402]  92.84 160.5 270 top
R83  75R  [SR0402]  92.96 157.96 90 top
R84  33R  [SR0402]  93.73 160.5 270 top
R85  75R  [SR0402]  93.98 157.96 90 top
R88  470K  [SR0402]  97.18 159 180 top
R91  470K  [SR0402]  99.26 159.03 0 top
R95  4.7K  [SR0402]  111.25 126.21 90 bottom
R96  4.7K  [SR0402]  109.98 126.21 90 bottom
R97  1M  [SR0402]  107.98 145.8 270 top
R98  0R  [SR0402]  108.38 144.5 180 top
R107  NC  [SR0402]  124.76 137.19 180 top
R108  4.7K  [SR0402]  124.76 136.3 180 top
R109  NC  [SR0402]  124.76 135.41 0 top
R110  1K  [SR0402]  102.74 138.79 180 bottom
R111  22R  [SR0402]  27.56 155.4 180 top
R112  22R  [SR0402]  27.56 154.36 180 top
R113  10K  [SR0402]  101.6 137.77 0 bottom
R114  33R  [SR0402]  127 126.09 0 top
R116  NC  [SR0402]  128.91 126.09 180 top
R117  NC  [SR0402]  128.91 125.07 180 top
R118  4.7K  [SR0402]  127 125.07 180 top
R120  0R  [SR0402]  130.99 126.09 180 top
R121  NC  [SR0402]  101.42 162.26 270 top
R122  4.7K  [SR0402]  100.38 162.26 90 top
R123  0R  [SR0402]  100.38 160.4 90 top
R124  NC  [SR0402]  132.84 126.09 180 top
R127  10K  [SR0402]  104.7 160.4 270 top
R128  10K  [SR0402]  105.28 162.26 270 top
R129  10K  [SR0402]  102.31 162.26 270 top
R130  1K  [SR0402]  105.92 156.95 270 top
R131  1K  [SR0402]  104.52 157.33 0 top
R133  1K  [SR0402]  105.59 160.4 270 top
R134  1K  [SR0402]  104.24 162.26 270 top
R135  1K  [SR0402]  103.2 162.26 270 top
R136  1K  [SR0402]  115.32 131.93 90 top
R137  NC  [SR0402]  117.35 131.93 270 top
R138  100R  [SR0402]  124.21 125.58 0 top
R139  100K  [SR0402]  122.43 125.58 180 top
R145  0R  [SR0402]  105.92 158.67 270 top
R146  0R  [SR0402]  103.2 160.4 90 top
R147  0R  [SR0402]  101.42 160.4 90 top
R148  100R  [SR0402]  116.84 133.32 0 top
R150  0R  [SR0402]  119.13 128.88 0 top
R151  1K  [SR0402]  122.81 131.55 270 top
R152  NC  [SR0402]  138.71 135.66 180 top
R153  4.7K  [SR0402]  138.71 134.77 180 top
R154  4.7K  [SR0402]  138.71 133.88 180 top
R155  4.7K  [SR0402]  138.73 128.6 180 top
R156  NC  [SR0402]  138.73 127.71 180 top
R158  4.7K  [SR0603]  89.28 186.77 0 bottom
R159  1K  [SR0402]  124.64 160.48 270 top
R160  4.7K  [SR0603]  89.28 185.5 0 bottom
R161  33R  [SR0402]  125.53 160.48 270 top
R162  10K  [SR0402]  126.42 160.48 270 top
R165  NC  [SR0402]  127.3 160.48 270 top
R171  4.7K  [SR0402]  128.19 160.48 90 top
R173  0R  [SR0402]  129.08 160.48 270 top
R174  0R  [SR0402]  129.36 162.18 270 top
R175  0R  [SR0402]  117.47 164.69 270 top
R176  33R  [SR0402]  129.97 160.48 270 top
R178  4.7K  [SR0402]  130.58 162.18 90 top
R179  4.7K  [SR0402]  130.86 160.48 270 top
R180  4.7K  [SR0402]  117.2 166.65 180 top
R181  4.7K  [SR0402]  131.85 162.18 270 top
R182  4.7K  [SR0402]  117.2 167.89 0 top
R183  NC  [SR0402]  132.16 160.07 0 top
R184  4.7K  [SR0402]  132.74 162.18 90 top
R185  4.7K  [SR0402]  117.2 168.78 0 top
R186  4.7K  [SR0402]  133.68 162.18 270 top
R190  4.7K  [SR0402]  117.2 169.98 180 top
R201  33R  [SR0402]  136.45 168.63 180 top
R202  2.49K  [SR0402]  136.45 165.96 0 top
R203  0R  [SR0402]  136.45 165.07 180 top
R204  33R  [SR0402]  110.74 172.87 270 top
R205  2.49K  [SR0402]  113.41 172.87 90 top
R206  0R  [SR0402]  114.3 172.87 270 top
R207  33R  [SR0402]  116.08 172.87 90 top
R208  1K  [SR0402]  116.97 172.87 270 top
R209  NC  [SR0402]  117.86 172.87 90 top
R219  33R  [SR0402]  134.62 145.69 180 top
R220  NC  [SR0402]  134.62 144.81 0 top
R221  0R  [SR0402]  134.62 143.92 0 top
R222  10K  [SR0402]  134.62 143.03 0 top
R223  NC  [SR0402]  134.62 142.14 0 top
R224  0R  [SR0402]  134.62 141.25 0 top
R225  NC  [SR0402]  135.25 139.93 90 top
R226  0R  [SR0402]  136.27 139.93 90 top
R227  NC  [SR0402]  137.29 139.93 90 top
R228  0R  [SR0402]  138.3 139.93 90 top
R229  10K  [SR0402]  139.7 140.31 0 top
R232  0R  [SR0402]  141.1 139.93 90 top
R233  NC  [SR0402]  142.11 139.93 90 top
R234  NC  [SR0402]  143.13 139.93 90 top
R235  0R  [SR0402]  142.82 160.32 270 bottom
R236  0R  [SR0402]  144.75 160.32 270 bottom
R237  10K/NC  [SR0402]  143.87 154.05 0 bottom
R238  499R  [SR0402]  145.72 154.05 0 bottom
R241  0R  [SR0402]  145.69 160.32 270 bottom
R242  4.7K  [SR0402]  144.15 139.93 270 top
R243  4.7K  [SR0402]  143.76 163.83 270 bottom
R244  4.7K  [SR0402]  145.69 163.83 270 bottom
R246  NC  [SR0402]  142.8 163.83 270 bottom
R247  NC  [SR0402]  144.73 163.83 270 bottom
R248  3K  [SR0402]  95.76 163.32 180 top
R249  3K  [SR0402]  95.73 169.19 180 top
R251  27K  [SR0402]  98.45 163.32 180 top
R252  0R  [SR0402]  150.34 140.03 270 top
R254  10K  [SR0402]  98.45 169.19 0 top
R258  4.7K  [SR0402]  153.77 140.03 270 top
R259  NC  [SR0402]  154.36 156.16 270 top
R261  51R  [SR0402]  154.76 151.36 180 top
R262  24R  [SR0402]  154.76 150.47 180 top
R263  51R  [SR0402]  154.76 145.16 180 top
R264  33R  [SR0402]  154.76 144.27 0 top
R265  10K  [SR0402]  156.46 151.36 180 top
R266  51R  [SR0402]  156.46 150.06 0 top
R267  24R  [SR0402]  156.46 149.17 180 top
R268  24R  [SR0402]  156.46 148.29 180 top
R269  51R  [SR0402]  156.46 147.4 0 top
R270  24R  [SR0402]  156.46 145.57 180 top
R271  33R  [SR0402]  156.46 143.99 0 top
R304  200K  [SR0402]  166.24 147.17 0 bottom
R305  100K  [SR0402]  166.24 146.15 0 bottom
R306  100K  [SR0402]  163.19 148.44 0 bottom
R308  100R  [SR0402]  25.55 178.28 90 top
R309  100R  [SR0402]  24.28 178.28 90 top
R311  0R  [SR0402]  22.66 178.26 270 top
R319  0R  [SR0402]  44.68 123.24 90 top
R320  499R  [SR0402]  44.7 135.1 90 top
R322  0R  [SR0402]  43.79 123.24 90 top
R323  100R  [SR0402]  30.63 166.19 270 top
R324  100R  [SR0402]  29.36 166.19 270 top
R331  NC  [SR0402]  42.01 123.24 90 top
R332  10K  [SR0402]  41.12 123.24 270 top
R333  47K  [SR0402]  40.23 123.24 270 top
R334  10K  [SR0402]  39.75 134.72 180 top
R337  100K  [SR0402]  39.34 123.24 90 top
R338  100K  [SR0402]  38.46 123.24 90 top
R346  499R  [SR0402]  187.83 132.94 180 top
R347  0R  [SR0402]  187.83 140.06 180 top
R348  0R  [SR0402]  187.83 139.04 180 top
R349  0R  [SR0402]  187.83 138.02 180 top
R350  0R  [SR0402]  187.83 137.01 180 top
R351  0R  [SR0402]  187.83 135.99 180 top
R352  0R  [SR0402]  187.83 134.98 180 top
R353  10K  [SR0402]  187.83 133.96 180 top
R370  4.7K  [SR0402]  108.59 164.57 90 bottom
R371  4.7K  [SR0402]  109.86 162.41 270 bottom
R372  4.7K  [SR0402]  110.74 162.41 270 bottom
R373  4.7K  [SR0402]  111.63 162.41 270 bottom
R374  4.7K  [SR0402]  112.52 162.41 270 bottom
R375  4.7K  [SR0402]  125.86 171.27 180 bottom
R376  4.7K  [SR0402]  125.86 170.38 180 bottom
R377  4.7K  [SR0402]  125.86 169.49 180 bottom
R378  4.7K  [SR0402]  125.86 168.61 180 bottom
R379  4.7K  [SR0402]  125.86 167.72 180 bottom
R380  270R  [SR0402]  101.6 134.62 0 bottom
R381  270R  [SR0402]  101.6 133.1 0 bottom
R382  4.7K  [SR0402]  100.94 139.55 180 bottom
R383  NC  [SR0402]  99.67 140.08 270 bottom
R384  1K  [SR0402]  99.57 116.55 180 bottom
R385  1K  [SR0402]  99.57 115.53 0 bottom
R386  10K  [SR0402]  99.44 148.03 0 bottom
R387  1K  [SR0402]  99.44 147.14 0 bottom
R388  1K  [SR0402]  99.42 149.81 180 bottom
R389  NC  [SR0402]  99.42 148.92 0 bottom
R390  1K  [SR0402]  99.8 131.62 180 bottom
R391  4.7K  [SR0402]  98.93 133.5 270 bottom
R392  NC  [SR0402]  97.54 133.91 0 bottom
R393  470K  [SR0402]  95.71 152.5 270 bottom
R394  470K  [SR0402]  94.72 151.82 90 bottom
R395  240R  [SR0402]  93.24 134.9 90 bottom
R396  75R  [SR0402]  92.84 153.77 90 bottom
R397  12K  [SR0402]  91.82 154.15 270 bottom
R398  NC  [SR0402]  89.26 152.02 270 bottom
R399  3K  [SR0402]  89.26 150.11 90 bottom
R400  240R  [SR0402]  89.16 113.37 0 bottom
R401  270R  [SR0402]  87.73 153.16 90 bottom
R402  270R  [SR0402]  86.84 153.16 90 bottom
R403  1K  [SR0402]  84.68 118.62 180 bottom
R404  240R  [SR0402]  84.63 144.93 0 bottom
R405  69.8R  [SR0402]  76.68 116.33 270 bottom
R406  240R  [SR0402]  75.21 113.88 0 bottom
R407  100K  [SR0402]  74.05 108.6 0 bottom
R408  1K  [SR0402]  69.32 142.75 90 bottom
R409  1K  [SR0402]  66.08 128.33 90 bottom
R410  69.8R  [SR0402]  65.38 151.51 180 bottom
R411  1K  [SR0402]  64.1 128.33 270 bottom
R412  240R  [SR0402]  63.6 152.3 270 bottom
R413  240R  [SR0402]  63.03 138.23 270 bottom
R414  100K  [SR0402]  60.38 151.79 180 bottom
R461  4.7R  [SR0402]  16.51 98.27 270 bottom
R462  470K  [SR0402]  10.16 99.03 270 bottom
R463  1M  [SR0402]  19.19 97.38 270 bottom
R480  499R  [SR0402]  17.9 96.93 180 bottom
R481  150K  [SR0402]  12.83 98.27 90 bottom
R482  1M  [SR0402]  11.05 98.27 270 bottom
R483  0R  [SR0402]  14.36 104.62 90 bottom
R484  100K  [SR0402]  15.49 98.27 90 bottom
R485  18K  [SR0402]  13.72 98.27 270 bottom
R631  6K  [SR0402]  176.15 161.77 180 top
R633  100K  [SR0402]  175.77 169.39 0 top
R634  100K  [SR0402]  175.77 168.38 0 top
R635  100K  [SR0402]  189.23 163.17 0 top
R636  100K  [SR0402]  191.14 162.53 0 top
R637  100K  [SR0402]  189.23 161.9 0 top
R638  100K  [SR0402]  189.23 160.88 0 top
R639  100K  [SR0402]  189.23 164.44 0 top
R640  100K  [SR0402]  191.14 163.8 0 top
R641  100K  [SR0402]  189.23 166.98 0 top
R642  100K  [SR0402]  189.23 165.96 0 top
R643  100K  [SR0402]  186.44 158.22 270 top
R644  100K  [SR0402]  185.42 158.22 270 top
R645  100K  [SR0402]  184.53 158.22 270 top
R646  100K  [SR0402]  181.99 170.92 270 top
R647  100K  [SR0402]  184.66 170.92 270 top
R648  100K  [SR0402]  185.67 170.92 270 top
R649  100K  [SR0402]  196.85 171.04 0 top
R650  100K  [SR0402]  196.85 168 180 top
R653  4.7K  [SR0402]  175.13 146.66 0 top
R654  4.7K  [SR0402]  185.8 147.29 180 top
R655  4.7K  [SR0402]  185.8 148.56 180 top
R656  4.7K  [SR0402]  187.96 147.93 180 top
R657  4.7K  [SR0402]  187.96 146.66 180 top
R658  4.7K  [SR0402]  185.8 144.75 180 top
R659  1M  [SR0402]  180.82 158.55 0 top
R660  NC  [SR0402]  178.94 170.92 270 top
R661  10K  [SR0402]  187.96 145.39 180 top
R662  4.7K  [SR0402]  185.8 146.02 180 top
R663  4.7K  [SR0402]  185.8 143.74 180 top
R664  4.7K  [SR0402]  185.8 142.72 180 top
R665  NC  [SR0402]  175.13 148.56 0 top
R666  0R  [SR0402]  180.98 170.92 270 top
R706  0R  [SR0402]  199.19 111.61 180 top
R707  4.7K  [SR0402]  199.19 112.67 0 top
R716  1.5K  [SR0402]  172.59 140.06 180 top
R718  10K  [SR0402]  180.29 138.15 0 bottom
R719  0R  [SR0402]  172.59 138.02 180 top
R722  10K  [SR0402]  180.29 139.19 0 bottom
R723  0R  [SR0402]  172.59 139.04 180 top
R797  75R  [SR0402]  136.4 107.29 270 bottom
R1119  4.7K  [SR0603]  100.97 174.47 180 bottom
R1120  4.7K  [SR0603]  100.97 177.52 180 bottom
R1121  4.7K  [SR0603]  100.97 175.87 180 bottom
R2207  499R  [SR0603]  121.28 170.48 90 top
R2208  499R  [SR0603]  119.91 170.48 90 top
